# Altium PCB F405adc.PcbDoc (part 2 of 2)
Units mm, origin at the board's own origin, x right, y up, seen from the top; angles counter-clockwise.
Board outline 162 x 21 mm, 2 copper layers (Top Layer, Bottom Layer); 140 components, 96 nets, 399 pads, 109 vias.
Unrouted connection lines stored in the file: 1.
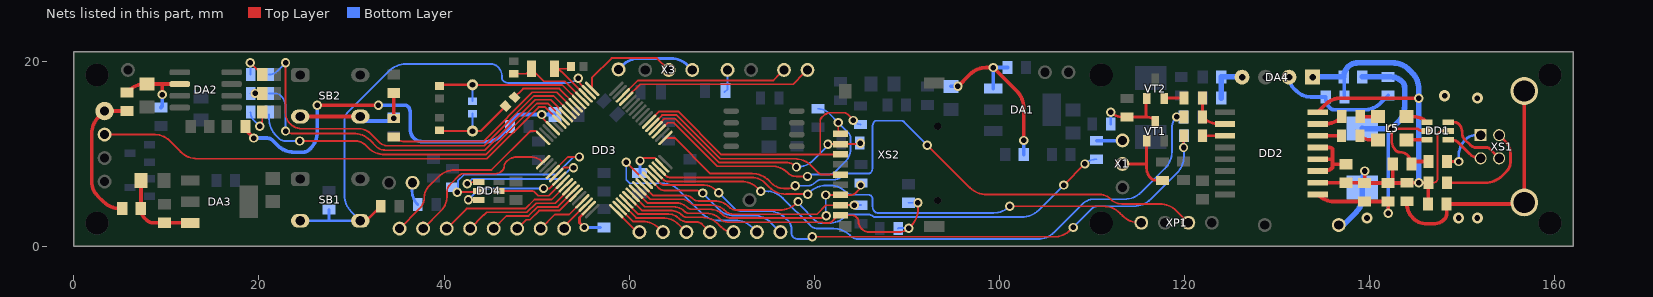
[diagram p2: the nets of this part, all layers, seen from the top]

## Via types
v1: diameter 1, hole 0.6, Top Layer to Bottom Layer, 98 vias
v2: diameter 1.2, hole 0.6, Top Layer to Bottom Layer, 11 vias

## Nets (pads, with @x,y where several pads share a name; then routed paths per layer and width w, separated by ;. In a path a pad name is that pad's centre, name@x,y a point inside that pad or via, vN(x,y) a via of type N, cw(c..) or ccw(c..) an arc to the next point about the centre after c; other vN are vias at no path point) (continued)
GND_BUS: C1.1 C2.1 C7.2 C8.2 C9.1 C36.2 C38.2 C40.2 C41.1 DA4.1 DD1.2 DD2.2 DD2.8 L2.2 R1.1 | length 69.6
  Top Layer w0.2: L2.2@146.354,6.858 146.904,6.858 ccw(c146.904,7.292) 147.211,6.985 ccw(c146.904,7.292) 147.338,7.292 147.338,12.012 cw(c147.772,12.012) 147.465,12.319 cw(c147.781,12.003) 147.781,12.45 DD1.2@148.5,12.45
  Top Layer w0.4: DD2.2@134.384,6.858 C9.1@137.432,6.858 139.387,6.858 cw(c139.387,6.749) C7.2@139.464,6.826 ; DD2.8@134.384,14.478 135.19,15.284 cw(c136.924,13.549) 136.924,16.002 v1(145.306,16.002) ; v1(139.464,8.128) C7.2@139.464,6.826 ; C2.1@142.512,9.144 C8.2@142.512,6.826 ; C1.1@146.322,4.572 ccw(c146.245,4.649) 146.354,4.649 L2.2@146.354,6.858 v1(145.322,6.858) 144.29,6.858 cw(c144.213,6.935) 144.213,6.826 C8.2@142.512,6.826 ; C7.2@139.464,6.826 C8.2@142.004,6.826 C8.2@142.512,6.826
  Bottom Layer w0.4: C36.2@137.21,18.288 cw(c137.058,18.136) 137.273,18.136 C40.2@137.273,16.129 ; C38.2@139.21,6.325 139.21,7.515 cw(c140.077,7.515) v1(139.464,8.128)
  Bottom Layer w0.6: DA4.1@133.836,18.268 cw(c133.884,18.22) 133.884,18.288 C36.2@137.21,18.288 cw(c138.734,18.288) 138.734,19.812 142.476,19.812 cw(c142.476,17.272) 144.272,19.068 144.578,18.762 cw(c142.782,16.966) 145.322,16.966 145.322,15.963 v1(145.322,6.858) ; C41.1@137.178,2.286 138.466,3.574 ccw(c136.67,5.37) 139.21,5.37 C38.2@139.21,6.325
  other v2: 139.718,3.048 149.624,3.048 151.656,3.048 151.656,16.002 148.1,16.256
IN_COUNT: 4.1 DD3.11 | length 53
  Top Layer w0.2: 4.1@3.32,12.065 8.772,12.065 cw(c8.772,9.897) 10.305,11.43 11.539,10.196 ccw(c13.335,11.992) 13.335,9.452 44.626,9.452 50.206,15.032 50.929,15.032 52.432,13.53 52.432,13.464 DD3.11@52.464,13.464
LED0: DD3.8 R28.1 | length 42.9
  Top Layer w0.2: v1(22.878,19.812) 22.878,14.434 ccw(c24.612,14.434) 23.386,13.208 ccw(c24.612,14.434) 24.612,12.7 30.796,12.7 cw(c30.796,10.966) 32.022,12.192 32.933,11.281 ccw(c33.976,12.325) 33.976,10.849 44.326,10.849 49.709,16.232 51.851,16.232 53.493,14.59 53.493,14.525 DD3.8@53.525,14.525
  Bottom Layer w0.2: R28.1@21.1,18.542 ccw(c21.1,19.768) 21.967,18.901 v1(22.878,19.812)
LED1: DD3.9 R29.1 | length 39.2
  Top Layer w0.2: v1(22.878,12.446) ccw(c23.491,13.059) 23.491,12.192 30.208,12.192 cw(c30.208,9.652) 32.004,11.448 32.7,10.752 ccw(c33.584,11.637) 33.584,10.386 33.594,10.376 44.418,10.376 49.874,15.832 51.511,15.832 DD3.9@53.172,14.172
  Bottom Layer w0.2: R29.1@21.1,16.51 21.757,16.51 cw(c21.757,15.643) 22.37,16.256 cw(c21.144,15.03) 22.878,15.03 v1(22.878,12.446)
LED2: DD3.10 R30.1 | length 37.3
  Top Layer w0.2: v1(24.402,11.372) 30.428,11.372 cw(c30.428,9.836) 31.514,10.922 31.786,10.65 ccw(c33.582,12.446) 33.582,9.906 44.514,9.906 50.04,15.432 51.204,15.432 DD3.10@52.818,13.818
  Bottom Layer w0.2: R30.1@21.1,14.224 21.1,13.752 ccw(c23.64,13.752) 21.844,11.956 22.116,11.684 ccw(c22.869,12.437) 22.869,11.372 v1(24.402,11.372) 24.402,11.176 v1@24.364,11.138
NetC1_2: C1.2 R1.2 XS1.5 XS1.6 | length 27.9
  Top Layer w0.4: R1.2@144.036,4.858 144.036,4.581 ccw(c146.204,4.581) 144.671,3.048 ccw(c146.204,4.581) 146.204,2.413 146.874,2.413 ccw(c146.874,4.147) 148.1,2.921 ccw(c147.564,3.457) 148.322,3.457 C1.2@148.322,4.572 156.329,4.572 ccw(c156.329,5.111) XS1.6@156.71,4.73 XS1.5@156.71,16.77
NetC3_1: C3.1 C5.1 DA2.2 L3.2 | length 8.6
  Top Layer w0.4: L3.2@5.733,16.605 5.91,16.782 cw(c7.706,14.986) 7.706,17.526 C5.1@7.892,17.526 9.543,17.526 ; v1(9.543,16.383) 9.543,17.526 ; DA2.2@11.442,17.526 9.543,17.526
  Bottom Layer w0.4: C3.1@9.416,14.986 ccw(c9.109,15.293) 9.543,15.293 v1(9.543,16.383)
NetC4_1: C4.1 C6.1 DA1.3 L4.2 | length 19.8
  Top Layer w0.4: v1(95.522,17.272) 96.81,18.56 cw(c98.606,16.764) 98.606,19.304 v1(99.332,19.304) 101.89,16.746 cw(c100.094,14.95) 102.634,14.95 v1(102.634,11.43)
  Bottom Layer w0.4: C6.1@94.76,17.272 v1(95.522,17.272) ; DA1.3@99.332,17.046 v1(99.332,19.304) L4.2@100.888,19.304 ; C4.1@102.634,9.906 v1(102.634,11.43)
NetC9_2: C9.2 DD2.3 DD2.4 DD2.5 | length 8.5
  Top Layer w0.4: DD2.3@134.384,8.128 135.102,8.128 ccw(c135.102,9.398) 136,8.5 136,8.89 ; DD2.4@134.384,9.398 135.754,9.398 ccw(c135.754,9.746) 136,9.5 ; DD2.5@134.384,10.668 135.594,10.668 cw(c135.594,10.094) 136,10.5 136,9.5 ; C9.2@137.432,8.858 136.077,8.858 cw(c136.077,8.967) 136,8.89 ; 136,8.89 136,9.5
NetC12_2: C12.2 R9.1 R10.2 SB2.3 SB2.4 | length 12.7
  Top Layer w0.4: SB2.3@24.454,14.006 SB2.4@30.954,14.006 ; v1(34.562,13.811) C12.2@34.562,16.542
  Bottom Layer w0.4: SB2.4@30.961,13.531 30.954,13.523 R9.1@34.404,13.523
NetC21_2: C21.2 R14.2 R17.2 ZQ2.1 | length 10
  Top Layer w0.254: C21.2@39.515,12.533 ccw(c39.725,12.743) 39.725,12.446 ZQ2.1@43.071,12.446 43.96,12.446 R17.2@46.531,15.017
  Bottom Layer w0.254: ZQ2.1@43.071,12.446 R14.2@43.071,14.311
NetC24_1: C24.1 C26.1 DD3.13 L7.2 | length 45.3
  Top Layer w0.2: v1(50.564,14.224) 50.564,13.951 DD3.13@51.757,12.757
  Top Layer w0.4: L7.2@18.528,12.954 ccw(c19.371,12.954) 18.775,12.358 v1(19.449,11.684) ; v1(26.307,15.24) v1(32.911,15.24)
  Bottom Layer w0.4: v1(19.449,11.684) 20.868,11.684 cw(c20.868,10.817) 21.481,11.43 22.007,10.904 ccw(c23.803,12.7) 23.803,10.16 24.805,10.16 ccw(c24.805,11.027) 25.418,10.414 25.563,10.559 ccw(c23.767,12.355) 26.307,12.355 v1(26.307,15.24) ; v1(32.911,15.24) 35.779,15.24 cw(c35.779,14.806) 36.086,15.113 cw(c35.473,14.5) 36.34,14.5 36.34,12.604 ccw(c37.641,12.604) 36.721,11.684 ccw(c37.641,12.604) 37.641,11.303 44.595,11.303 ccw(c44.595,13.449) 46.113,11.932 C26.1@47.135,12.954 cw(c48.361,12.954) 47.494,13.821 47.643,13.97 cw(c48.256,13.357) 48.256,14.224 v1(50.564,14.224) C24.1@51.961,14.224
NetC27_1: C27.1 C28.1 DA3.3 L6.2 | length 9.3
  Top Layer w0.4: C28.1@7.257,7.112 7.257,4.141 cw(c7.148,4.141) L6.2@7.225,4.064 ccw(c8.681,4.064) 7.651,3.035 7.892,2.794 ccw(c8.505,3.407) 8.505,2.54 C27.1@9.797,2.54 12.523,2.54 cw(c12.523,2.444) DA3.3@12.591,2.512
NetC40_1: C40.1 DA4.2 L8.2 | length 13.3
  Bottom Layer w0.4: DA4.2@131.296,18.268 ccw(c132.991,18.268) 131.792,17.07 132.098,16.764 ccw(c133.631,18.297) 133.631,16.129 C40.1@135.273,16.129 135.273,15.906 ccw(c136.574,15.906) 135.654,14.986 ccw(c136.267,15.599) 136.267,14.732 139.396,14.732 ccw(c139.396,17.272) 141.192,15.476 L8.2@142.004,16.288
NetC43_1: C43.1 DA4.4 L9.1 | length 4.5
  Bottom Layer w0.6: C43.1@123.97,16.002 L9.1@123.97,18.288 126.168,18.288 cw(c126.168,18.22) DA4.4@126.216,18.268
NetDD1_1: DD1.1 XS1.2 | length 4.2
  Top Layer w0.3: DD1.1@148.5,11.5 148.842,11.5 cw(c148.842,10.394) 149.624,11.176 150.805,9.995 ccw(c152,11.19) XS1.2@152,9.5
NetDD1_3: DD1.3 XS1.3 | length 7.5
  Top Layer w0.3: DD1.3@148.5,13.4 149.16,13.4 cw(c149.16,12.744) 149.624,13.208 cw(c148.704,12.288) 150.005,12.288 150.005,12.192 ccw(c150.925,12.192) 150.274,11.542 150.894,10.922 ccw(c151.507,11.535) 151.507,10.668 152.672,10.668 cw(c152.672,10.282) 152.945,10.555 XS1.3@154,9.5
NetDD1_4: DD1.4 L5.2 | length 2.4
  Top Layer w0.4: L5.2@144,14 144.751,14 cw(c144.751,11.951) DD1.4@146.2,13.4
NetDD1_6: DD1.6 L5.1 | length 2.2
  Top Layer w0.4: L5.1@144,11.5 DD1.6@146.2,11.5
NetDD2_6: DD2.6 R4.2 | length 2.6
  Top Layer w0.4: DD2.6@134.384,11.938 R4.2@136.956,11.938
NetDD2_7: DD2.7 R6.2 | length 2.8
  Top Layer w0.4: DD2.7@134.384,13.208 135.156,13.208 ccw(c135.156,15.748) 136.952,13.952 R6.2@137,14
NetDD2_10: DD2.10 R11.1 R13.1 | length 4.7
  Top Layer w0.3: R11.1@121.938,16.002 R13.1@121.938,13.97 121.956,13.952 ccw(c123.752,15.748) 123.752,13.208 DD2.10@124.384,13.208
NetDD2_11: DD2.11 R12.1 | length 2.4
  Top Layer w0.3: R12.1@121.938,11.938 DD2.11@124.384,11.938
NetE1_1: pad.1 X3.1 | length 8.8
  Bottom Layer w0.3: pad.1@58.854,19.116 59.289,19.551 cw(c61.085,17.755) 61.085,20.295 64.523,20.295 cw(c64.523,17.755) 66.319,19.551 X3.1@66.82,19.05
NetHL1_2: HL1.2 R28.2 | length 3.1
  Top Layer w0.2: v1(19.068,19.812) 19.08,19.812 HL1.2@20.35,18.542
  Bottom Layer w0.2: v1(19.068,19.812) cw(c18.991,19.735) 19.1,19.735 R28.2@19.1,18.542
NetHL2_2: HL2.2 R29.2 | length 0
  Bottom Layer w0.2: R29.2@19.068,16.51 R29.2@19.1,16.51
  other v1: 19.576,16.51
NetHL3_2: HL3.2 R30.2 | length 3.5
  Top Layer w0.2: v1(20.084,12.954) ccw(c19.442,13.596) 20.35,13.596 HL3.2@20.35,14.478
  Bottom Layer w0.2: R30.2@19.1,14.478 ccw(c20.404,14.478) 19.482,13.556 v1(20.084,12.954)
NetL1_1: L1.1 XS1.1 | length 5.6
  Top Layer w0.3: L1.1@148.354,9.144 v1(149.624,9.144)
  Bottom Layer w0.3: v1(149.624,9.144) 149.624,9.743 cw(c152.164,9.743) 150.368,11.539 150.386,11.557 cw(c151.456,10.488) 151.456,12 XS1.1@152,12
NetL2_1: L2.1 XS1.4 | length 11.3
  Top Layer w0.3: L2.1@148.354,6.858 152.509,6.858 ccw(c152.509,9.398) 154.305,7.602 154.831,8.128 ; XS1.4@154,12 154.678,11.322 cw(c153.389,10.033) 155.212,10.033 155.212,9.048 cw(c153.911,9.048) 154.831,8.128
NetL5_3: L5.3 R6.1 | length 1.9
  Top Layer w0.4: R6.1@139,14 L5.3@140.9,14
NetL5_4: L5.4 R4.1 | length 2.1
  Top Layer w0.4: R4.1@138.956,11.938 ccw(c140.013,12.995) 140.013,11.5 L5.4@140.9,11.5
NetR2_2: R2.2 X1.1 | length 2.8
  Bottom Layer w0.4: R2.2@110.508,11.398 113.225,11.398 ccw(c113.225,11.507) X1.1@113.302,11.43
NetR3_1: R3.1 VT1.1 X1.2 | length 8.1
  Top Layer w0.3: X1.2@113.302,8.89 115.908,8.89 ; VT1.1@115.908,11.396 115.908,8.89 ; R3.1@117.62,7.112 116.963,7.112 cw(c116.963,7.979) 116.35,7.366 cw(c117.417,8.433) 115.908,8.433 115.908,8.89
NetR5_1: R5.1 R7.1 VT1.3 VT2.1 | length 8.4
  Top Layer w0.3: v1(112.032,14.478) ccw(c113.258,15.704) 113.258,13.97 R7.1@113.81,13.97 115.842,13.97 ; VT2.1@115.908,15.968 ccw(c116.067,15.809) 115.842,15.809 115.842,13.97 ; VT1.3@116.858,13.496 116.767,13.587 ccw(c115.842,12.662) 115.842,13.97
  Bottom Layer w0.3: R5.1@112.032,13.208 v1(112.032,14.478)
NetR11_2: R11.2 VT2.2 | length 2.1
  Top Layer w0.3: VT2.2@117.808,15.968 cw(c117.89,15.886) 117.89,16.002 R11.2@119.938,16.002
NetR15_1: R15.1 X2.1 | length 2.2
  Bottom Layer w0.3: X2.1@36.543,6.579 36.543,5.968 ccw(c38.625,5.968) R15.1@37.153,4.496
NetR20_2: R20.2 X4.1 | length 2.7
  Bottom Layer w0.2: R20.2@70.29,16.637 70.63,16.977 70.63,18.796 X4.1@70.376,19.05
NRST: DD3.7 R10.1 | length 22.4
  Top Layer w0.2: R10.1@34.562,11.811 ccw(c35.788,13.037) 35.788,11.303 44.214,11.303 49.543,16.632 52.158,16.632 53.846,14.944 53.846,14.879 DD3.7@53.879,14.879
OSC32IN: C18.2 DD3.3 ZQ1.1 | length 6.3
  Top Layer w0.2: C18.2@53.699,19.177 ZQ1.1@51.941,19.177 cw(c51.941,18.181) 52.645,18.885 55.238,16.293 DD3.3@55.293,16.293
OSC32OUT: C20.2 DD3.4 ZQ1.2 | length 9
  Top Layer w0.2: C20.2@47.516,18.629 48.893,18.629 ZQ1.2@49.441,19.177 50.786,17.832 53.047,17.832 DD3.4@54.939,15.939
OSCIN: C19.2 DD3.5 R14.1 ZQ2.2 | length 17.7
  Top Layer w0.2: ZQ2.2@43.057,17.432 ZQ2.2@43.071,17.432 ; ZQ2.2@43.071,17.446 ZQ2.2@43.071,17.432 ; DD3.5@54.586,15.586 52.74,17.432 ZQ2.2@43.071,17.432
  Top Layer w0.254: C19.2@39.515,17.312 cw(c39.805,17.022) 39.805,17.432 ZQ2.2@43.057,17.432
  Bottom Layer w0.2: R14.1@43.071,15.661 ZQ2.2@43.071,17.446
OSOUT: DD3.6 R17.1 | length 8
  Top Layer w0.2: R17.1@47.485,15.971 48.546,17.032 52.465,17.032 54.2,15.297 54.2,15.232 DD3.6@54.232,15.232
PA2: 5.1 DD3.16 | length 21.1
  Top Layer w0.2: 5.1@35.197,2.25 5.1@35.197,1.905 37.325,4.033 ccw(c36.024,5.334) 37.864,5.334 cw(c39.397,5.334) 38.313,6.418 39.399,7.504 cw(c41.166,5.737) 41.166,8.236 45.107,8.236 49.317,12.446 49.947,12.446 DD3.16@50.697,11.697
PA3: 6.1 DD3.17 | length 18
  Top Layer w0.2: 6.1@37.737,2.58 6.1@37.737,1.905 39.692,3.86 ccw(c38.217,5.334) 40.302,5.334 40.302,5.768 cw(c41.645,5.768) 40.696,6.718 41.627,7.649 cw(c42.079,7.197) 42.079,7.836 45.541,7.836 ccw(c45.541,8.833) 46.246,8.128 46.32,8.202 ccw(c45.887,8.636) 46.5,8.636 cw(c47.113,8.636) 46.68,9.07 46.828,9.218 cw(c47.875,8.172) 47.875,9.652 49.317,9.652 cw(c49.317,7.7) DD3.17@50.697,9.08
PA4: DD3.20 DD4.5 R18.2 | length 21.4
  Top Layer w0.2: v1(41.42,5.842) 43.622,5.842 DD4.5@43.749,5.969 ; DD3.20@51.757,8.02 53.39,9.652 v1(54.628,9.652)
  Bottom Layer w0.2: v1(41.42,5.842) 41.5,5.922 41.5,7.092 42.158,7.75 52.091,7.75 53.993,9.652 v1(54.628,9.652)
PA5: DD3.21 DD4.4 | length 15.8
  Top Layer w0.2: v1(42.5,6.75) 42.669,6.919 DD4.4@43.749,6.919 ; DD3.21@52.134,7.666 DD3.21@52.111,7.666 52.945,8.5 53.956,8.5 v1(53.985,8.471)
  Bottom Layer w0.2: v1(42.5,6.75) 43,7.25 52.5,7.25 53.721,8.471 v1(53.985,8.471)
PA6: DD3.22 DD4.6 | length 12
  Top Layer w0.2: v1(42.629,5.019) DD4.6@43.749,5.019 ; v1(50.75,6.25) 51.402,6.25 DD3.22@52.464,7.313 DD3.22@52.535,7.313
  Bottom Layer w0.2: v1(42.629,5.019) 43.86,6.25 v1(50.75,6.25)
PA7: DD3.23 DD4.2 | length 7.7
  Top Layer w0.2: DD4.2@45.949,5.969 49.495,5.969 cw(c49.495,5.535) 49.802,5.842 50.194,5.45 51.309,5.45 DD3.23@52.818,6.959
PA8: DD3.41 R2.1 | length 54.5
  Top Layer w0.2: DD3.41@61.445,6.606 62.564,5.486 66.048,5.486 cw(c66.048,4.359) 66.845,5.156 ccw(c67.459,5.769) 67.459,4.902 69.224,4.902 cw(c69.224,2.734) 70.757,4.267 ccw(c71.614,5.124) 71.614,3.912 76.284,3.912 ccw(c76.284,6.452) 78.08,4.656 v1(78.25,4.826) v1@78.25,4.461 ; v1(106.952,6.604) v1(109.238,8.89)
  Bottom Layer w0.2: v1@78.376,4.522 80.18,2.718 ccw(c80.732,3.27) 80.732,2.489 81.567,2.489 ccw(c81.567,5.029) 83.363,3.233 83.432,3.302 cw(c83.738,2.995) 83.738,3.429 85.816,3.429 cw(c85.816,2.562) 86.429,3.175 ccw(c86.49,3.236) 86.49,3.15 102.446,3.15 ccw(c102.446,5.69) 104.242,3.894 v1(106.952,6.604) ; v1@78.376,4.523 cw(c78.679,4.826) v1(78.25,4.826) v1@78.402,4.826 ; v1(109.238,8.89) cw(c110.464,7.664) 110.464,9.398 R2.1@110.508,9.398
PA9: 16.1 DD3.42 | length 21
  Top Layer w0.2: v1(59.683,9.068) 59.69,9.068 DD3.42@61.798,6.959
  Bottom Layer w0.2: v1(59.683,9.068) 59.683,7.163 60.038,6.807 63.584,6.807 cw(c63.584,4.267) 65.38,6.063 67.966,3.477 ccw(c69.614,5.124) 69.614,2.794 71.483,2.794 cw(c71.483,0.254) 73.279,2.05 16.1@73.805,1.524
PA10: 15.1 DD3.43 | length 16.3
  Top Layer w0.2: DD3.43@62.152,7.313 63.114,6.35 ccw(c63.912,7.147) 63.912,6.02 67.263,6.02 cw(c67.263,5.066) v1(67.938,5.74)
  Bottom Layer w0.2: v1(67.938,5.74) 69.676,4.002 ccw(c71.367,5.694) 71.367,3.302 73.515,3.302 cw(c73.515,0.762) 75.311,2.558 15.1@76.345,1.524
PA11: C22.2 DD3.44 R12.2 | length 68
  Top Layer w0.2: DD3.44@62.505,7.666 63.409,6.763 ccw(c63.792,7.146) 63.792,6.604 68.072,6.604 cw(c68.072,4.783) 69.36,6.071 69.621,5.809 ccw(c69.665,5.853) v1(69.665,5.791) ; v1(79.774,1.016) 105.9,1.016 ccw(c105.9,3.556) 107.696,1.76 v1(107.968,2.032) ; v1(119.906,10.668) 119.906,11.861 cw(c120.015,11.861) R12.2@119.938,11.938
  Bottom Layer w0.2: v1(69.665,5.791) 71.366,4.09 ccw(c72.103,4.827) 72.103,3.785 75.09,3.785 cw(c75.09,1.245) 76.886,3.041 77.162,2.765 cw(c76.251,1.854) 77.539,1.854 77.539,1.42 ccw(c78.146,1.42) 77.717,0.991 ccw(c78.207,1.481) 78.207,0.787 79.222,0.787 ccw(c79.222,1.568) v1(79.774,1.016) ; v1(107.968,2.032) 110.044,4.108 cw(c110.552,3.6) 110.552,4.318 114.536,4.318 ccw(c114.536,6.858) 116.332,5.062 119.194,7.924 ccw(c117.398,9.72) 119.938,9.72 C22.2@119.938,11.938
PA12: C23.1 DD3.45 R13.2 | length 67.1
  Top Layer w0.2: DD3.45@62.859,8.02 63.716,7.163 ccw(c64.084,7.531) 64.084,7.01 72.093,7.01 cw(c72.093,4.47) 73.889,6.266 v1(74.211,5.944)
  Bottom Layer w0.2: v1(74.211,5.944) 74.81,5.944 cw(c74.81,3.404) 76.606,5.2 79.542,2.264 ccw(c80.409,3.131) 80.409,1.905 82.075,1.905 cw(c82.075,-0.635) 83.871,1.161 83.94,1.092 ccw(c84.737,1.889) 84.737,0.762 104.122,0.762 ccw(c104.122,3.302) 105.918,1.506 108.953,4.541 cw(c110.254,3.24) 110.254,5.08 113.52,5.08 ccw(c113.52,7.62) 115.316,5.824 117.892,8.4 ccw(c116.096,10.196) 118.636,10.196 118.636,12.744 cw(c120.37,12.744) v1(119.144,13.97) C23.1@119.906,13.97
PA13: DD3.46 XP1.4 | length 56.2
  Top Layer w0.2: DD3.46@63.213,8.373 64.017,7.569 ccw(c64.323,7.876) 64.323,7.442 73.227,7.442 cw(c73.227,5.417) 74.66,6.849 75.151,6.357 ccw(c76.947,8.153) 76.947,5.613 76.96,5.626 79.299,5.626 v1(79.302,5.624) ; v1(101.11,4.318) 111.234,4.318 cw(c111.234,1.778) 113.03,3.574 113.32,3.284 ccw(c115.116,5.08) 115.116,2.54 XP1.4@115.334,2.54
  Bottom Layer w0.2: v1@79.657,5.624 v1(79.302,5.624) 79.513,5.835 cw(c81.309,4.039) 81.309,6.579 81.725,6.579 cw(c81.725,4.237) 83.381,5.893 ccw(c84.178,6.69) 84.178,5.563 85.843,5.563 cw(c85.843,5.129) 86.149,5.436 cw(c85.781,5.068) 86.302,5.068 86.302,4.286 ccw(c87.082,4.286) 86.53,3.734 ccw(c86.837,4.04) 86.837,3.607 99.393,3.607 ccw(c99.393,6.035) v1(101.11,4.318)
PA14: DD3.49 XP1.2 | length 68.5
  Top Layer w0.2: DD3.49@63.92,11.697 64.902,11.697 68.75,7.849 73.286,7.849 cw(c73.286,5.309) 75.082,7.105 75.38,6.807 ccw(c76.729,8.156) 76.729,6.248 77.271,6.248 ccw(c77.271,7.202) v1(77.945,6.528) ; v1(92.22,10.922) 96.81,6.332 ccw(c98.606,8.128) 98.606,5.588 110.806,5.588 cw(c110.806,3.854) 112.032,5.08 ccw(c113.258,6.306) 113.258,4.572 117.33,4.572 cw(c117.33,2.032) 119.126,3.828 XP1.2@120.414,2.54
  Bottom Layer w0.2: v1(77.945,6.528) 79.21,6.528 ccw(c79.21,7.829) 80.13,6.909 cw(c80.804,6.234) 80.804,7.188 82.116,7.188 ccw(c82.116,8.402) 82.974,7.544 cw(c83.71,6.808) 83.71,7.849 85.853,7.849 ccw(c85.853,8.195) 86.099,7.95 ccw(c85.669,8.379) 86.276,8.379 86.276,12.828 cw(c87.317,12.828) 86.581,13.564 89.435,13.564 cw(c89.435,13.217) 89.68,13.462 v1(92.22,10.922)
PB0: 9.1 DD3.26 | length 10.3
  Top Layer w0.2: 9.1@45.357,1.905 46.716,3.264 49.117,3.264 50.103,4.25 52.301,4.25 53.808,5.757 53.808,5.898 DD3.26@53.879,5.898
PB1: 10.1 DD3.27 | length 7.8
  Top Layer w0.2: 10.1@47.897,1.905 48.856,2.864 49.283,2.864 50.269,3.85 52.467,3.85 54.162,5.545 DD3.27@54.232,5.545
PB8: 14.1 DD3.61 | length 20.8
  Top Layer w0.2: DD3.61@59.677,15.939 59.748,15.939 59.748,16.081 61.174,17.507 77.723,17.507 78.885,18.669 14.1@78.885,19.05
PB9: 13.1 DD3.62 | length 18.4
  Top Layer w0.2: DD3.62@59.323,16.293 60.938,17.907 75.583,17.907 76.345,18.669 13.1@76.345,19.05
PB10: 11.1 DD3.29 | length 5.7
  Top Layer w0.2: 11.1@50.437,1.905 51.961,3.429 53.531,3.429 DD3.29@54.939,4.838
PB11: 12.1 DD3.30 | length 3.5
  Top Layer w0.2: 12.1@52.977,1.905 52.977,2.168 DD3.30@55.293,4.484 DD3.30@55.302,4.484
PB12: 21.1 DD3.33 | length 3.4
  Top Layer w0.2: DD3.33@58.616,3.777 60.869,1.524 21.1@61.105,1.524
PB13: 20.1 DD3.34 | length 5.6
  Top Layer w0.2: DD3.34@58.97,4.131 60.433,2.667 61.486,2.667 cw(c61.486,0.215) 63.22,1.949 20.1@63.645,1.524
PB14: 19.1 DD3.35 | length 8
  Top Layer w0.2: DD3.35@59.323,4.484 60.74,3.067 63.59,3.067 cw(c63.59,0.527) 65.386,2.323 19.1@66.185,1.524
PB15: 18.1 DD3.36 | length 10.3
  Top Layer w0.2: DD3.36@59.677,4.838 59.748,4.838 59.748,4.696 60.977,3.467 64.273,3.467 cw(c64.273,1.949) 65.347,3.023 ccw(c66.328,4.004) 66.328,2.616 67.303,2.616 cw(c67.303,1.819) 67.866,2.383 18.1@68.725,1.524
PC4: 7.1 DD3.24 | length 15.4
  Top Layer w0.2: 7.1@40.711,2.085 cw(c40.277,2.518) 7.1@40.277,1.905 42.436,4.064 48.786,4.064 49.772,5.05 51.616,5.05 DD3.24@53.172,6.606 DD3.24@53.172,6.535
PC5: 8.1 DD3.25 | length 12.7
  Top Layer w0.2: 8.1@42.817,1.905 44.251,3.339 cw(c44.468,3.122) 44.362,3.41 44.616,3.664 48.952,3.664 49.938,4.65 51.994,4.65 53.454,6.111 53.454,6.252 DD3.25@53.525,6.252
  Bottom Layer w0.2: 8.1@42.817,1.905 8.1@42.817,2.032
PC6: 17.1 DD3.37 | length 12.5
  Top Layer w0.2: DD3.37@60.031,5.191 61.355,3.867 64.414,3.867 cw(c64.414,1.937) 65.779,3.302 ccw(c66.208,3.731) 66.208,3.124 67.851,3.124 cw(c67.851,0.584) 69.647,2.38 69.964,2.063 ccw(c71.265,3.364) 17.1@71.265,1.524
PC7: C42.1 DD3.38 R26.2 XS2.9 | length 37.5
  Top Layer w0.2: DD3.38@60.384,5.545 61.662,4.267 64.791,4.267 cw(c64.791,2.62) 65.956,3.785 ccw(c66.508,4.337) 66.508,3.556 68.381,3.556 cw(c68.381,1.561) 69.792,2.972 ccw(c70.712,3.892) 70.712,2.591 80.878,2.591 80.967,2.502 81.629,2.502 81.718,2.591 81.818,2.591 82.568,3.341 XS2.9@82.847,3.341 84.123,3.341 cw(c84.123,2.774) 84.524,3.175 84.616,3.083 cw(c84.226,2.692) 84.778,2.692 ccw(c85.943,2.692) 85.119,1.869 ccw(c85.951,2.7) 85.951,1.524 89.171,1.524 ccw(c89.171,2.998) v1(90.213,1.956) 90.46,2.202 ccw(c88.664,3.999) 91.204,3.999 v1(91.204,4.699)
  Bottom Layer w0.2: R26.2@89.064,1.93 cw(c89.125,1.869) 89.125,1.956 v1(90.213,1.956) ; C42.1@90.188,4.699 v1(91.204,4.699)
PC8: DD3.39 R24.2 XS2.7 | length 28.2
  Top Layer w0.2: DD3.39@60.738,5.898 61.962,4.674 65.086,4.674 cw(c65.086,2.939) 66.312,4.166 ccw(c66.741,4.595) 66.741,3.988 68.758,3.988 cw(c68.758,2.167) 70.046,3.454 ccw(c71.027,4.436) 71.027,3.048 80.79,3.048 81.044,3.302 v1(81.298,3.302) ; v1(81.247,5.537) 81.251,5.541 XS2.7@82.847,5.541 83.884,5.541 ccw(c83.884,6.481) 84.549,5.817 84.773,6.04 ccw(c84.209,6.604) v1(85.006,6.604)
  Bottom Layer w0.2: v1(81.247,5.537) 81.247,3.353 v1(81.298,3.302)
PC9: DD3.40 R25.2 XS2.8 | length 25.3
  Top Layer w0.2: DD3.40@61.091,6.252 62.263,5.08 65.61,5.08 cw(c65.61,3.692) 66.591,4.674 ccw(c67.143,5.226) 67.143,4.445 68.832,4.445 cw(c68.832,2.19) 70.427,3.785 ccw(c71.224,4.582) 71.224,3.454 80.296,3.454 81.261,4.42 82.782,4.42 ccw(c82.782,4.506) 82.844,4.445 XS2.8@82.847,4.441 84.317,4.441 v1(84.321,4.445)
  Bottom Layer w0.2: v1(84.321,4.445) 85.051,4.445 R25.2@85.057,4.438
PC10: DD3.51 R21.2 XS2.1 | length 32.3
  Top Layer w0.2: DD3.51@63.213,12.404 63.222,12.404 64.153,13.335 64.835,13.335 69.521,8.649 75.385,8.649 cw(c75.385,6.177) 77.132,7.925 ccw(c78.052,8.845) 78.052,7.544 v1(79.266,7.544) ; v1(82.593,13.36) 82.593,12.482 82.873,12.203 cw(c82.786,12.203) XS2.1@82.847,12.141
  Bottom Layer w0.2: v1(79.266,7.544) cw(c79.757,7.053) 79.757,7.747 81.456,7.747 ccw(c81.456,8.961) 82.314,8.103 83.375,9.164 ccw(c82.075,10.465) 83.914,10.465 83.914,11.724 ccw(c83.152,11.724) 83.691,12.263 v1(82.593,13.36) 81.591,14.363 ccw(c80.409,13.181) R21.2@80.416,14.852 ; R21.2@80.416,14.852 ccw(c80.409,13.181) R21.2@80.409,14.852 R21.2@80.416,14.852
PC11: DD3.52 R23.2 XS2.2 | length 25.1
  Top Layer w0.2: DD3.52@62.859,12.757 62.93,12.757 62.93,12.899 63.798,13.767 64.968,13.767 69.686,9.049 76.892,9.049 cw(c76.892,7.379) v1(78.072,8.56) ; v1@81.936,11.041 XS2.2@82.847,11.041 84.874,11.041 ccw(c84.874,11.328) 85.077,11.125 v1@85.161,11.041
  Bottom Layer w0.2: v1(78.072,8.56) 78.112,8.56 ccw(c78.112,11.1) 79.908,9.304 v1@81.33,10.726
  other v1: 81.476,11.024 84.981,11.125
PC12: DD3.53 XS2.5 | length 23.3
  Top Layer w0.2: DD3.53@62.505,13.111 63.561,14.167 65.134,14.167 69.852,9.449 77.884,9.449 cw(c77.884,6.909) 79.68,8.705 80.485,7.899 ccw(c80.867,8.281) 80.867,7.741 XS2.5@82.847,7.741
PD2: DD3.54 R27.2 XS2.3 | length 32
  Top Layer w0.2: DD3.54@62.152,13.464 63.254,14.567 65.3,14.567 69.961,9.906 80.638,9.906 ; XS2.3@82.847,9.941 cw(c82.762,10.026) 82.762,9.906 80.638,9.906 ; v1(84.219,13.589) 84.219,13.691 cw(c84.219,13.752) 84.176,13.709 83.736,14.148 ccw(c83.062,13.473) 83.062,14.427 81.63,14.427 ccw(c81.63,13.994) 81.323,14.3 ccw(c81.323,13.994) 81.107,14.21 80.765,13.868 ccw(c81.071,13.562) 80.638,13.562 80.638,9.906
  Bottom Layer w0.2: v1(84.219,13.589) 84.406,13.402 ccw(c84.981,13.977) R27.2@84.981,13.164
RTC: C11.2 DD3.2 R8.1 SB1.3 SB1.4 | length 53.2
  Top Layer w0.2: v1(54.501,18.161) 54.501,18.034 ccw(c55.086,18.034) 54.672,17.621 DD3.2@55.646,16.646
  Top Layer w0.3: SB1.4@30.954,2.754 ccw(c30.954,4.315) 32.058,3.211 R8.1@33.165,4.318
  Bottom Layer w0.2: SB1.4@30.954,2.754 29.972,3.736 cw(c31.768,5.532) 29.228,5.532 29.228,13.558 cw(c30.529,13.558) 29.609,14.478 34.072,18.941 cw(c35.868,17.145) 35.868,19.685 45.125,19.685 cw(c45.125,18.818) 45.738,19.431 45.887,19.282 cw(c45.02,18.415) 46.246,18.415 46.246,18.214 ccw(c46.68,18.214) 46.373,17.907 46.426,17.854 ccw(c46.912,18.341) 46.912,17.653 53.275,17.653 ccw(c53.275,19.387) v1(54.501,18.161)
  Bottom Layer w0.3: SB1.3@24.454,2.754 27.577,2.754 ; C11.2@27.577,3.969 27.577,2.754 ; SB1.4@30.954,2.754 27.577,2.754
VBAT: DD3.1 X3.2 | length 11
  Top Layer w0.2: DD3.1@56,16.929 DD3.1@56,17 56,18.238 58.093,20.331 62.999,20.331 X3.2@64.28,19.05
VBUS_5V: C2.2 C7.1 C8.1 C36.1 C38.1 DD1.5 DD2.1 L1.2 L8.1 | length 42.3
  Top Layer w0.3: C2.2@144.512,8.89 ccw(c143.208,8.89) 144.13,9.812 ccw(c143.29,8.971) 143.29,10.16 cw(c143.29,10.811) 142.829,10.351 cw(c143.902,11.423) 142.385,11.423 v1(142.385,12.7) 145.179,12.7 ccw(c145.783,13.304) 145.783,12.45 DD1.5@146.2,12.45
  Top Layer w0.4: DD2.1@134.384,5.588 134.402,5.57 ccw(c136.198,7.366) 136.198,4.826 C7.1@139.464,4.826 C8.1@142.004,4.826 v1(142.004,3.556) ; C2.2@144.512,8.89 cw(c145.125,8.277) 145.125,9.144 L1.2@146.354,9.144
  Bottom Layer w0.4: v1(142.004,3.556) 142.004,11.78 cw(c143.305,11.78) v1(142.385,12.7)
  Bottom Layer w0.6: C38.1@139.21,12.725 ccw(c139.27,12.785) 139.27,12.7 v1(142.385,12.7) 143.038,13.353 ccw(c141.242,15.149) 143.782,15.149 143.782,17.167 ccw(c142.915,17.167) 143.528,17.78 ccw(c142.302,16.554) 142.302,18.288 L8.1@142.004,18.288 C36.1@139.21,18.288
VCAP1: C29.1 DD3.31 | length 4.5
  Top Layer w0.3: v1(55.136,2.032) 54.628,2.54 54.628,3.112 DD3.31@55.646,4.131
  Bottom Layer w0.3: v1(55.136,2.032) C29.1@56.914,2.032
VCAP2: C37.1 DD3.47 | length 4.2
  Top Layer w0.2: v1(61.181,9.22) 61.511,9.55 62.743,9.55 DD3.47@63.566,8.727
  Bottom Layer w0.3: C37.1@61.13,7.899 61.181,7.95 v1(61.181,9.22)
VIN: 1.1 L3.1 L6.1 | length 15.3
  Top Layer w0.4: L6.1@5.225,4.064 4.988,4.064 cw(c4.988,6.604) 3.192,4.808 2.591,5.409 cw(c4.202,7.021) 1.923,7.021 1.923,12.156 cw(c4.463,12.156) 2.667,13.952 1.1@3.32,14.605 L3.1@5.733,14.605
pads on no net: DA2.1 DA2.3 DA2.5 DA2.7 DA2.8 XS2.11 XS2.12 XS2.13 XS2.14 XS2.15

## Polygon pours and split planes (outlines as drawn)
GND_BUS on Bottom Layer "Bottom Layer-No Net" (hatched 90Degree grid 0.5 track 0.3, remove dead copper, pour order 9): 132.86,18.034 132.86,5.878 ccw(c135.4,5.878) 133.604,4.082 135.4,2.286 cw(c136.013,1.673) 136.013,2.54 152.418,2.54 153.652,2.54 ccw(c153.652,5.08) 155.448,3.284 156.99,4.826 cw(c157.603,5.439) 156.736,5.439 156.736,18.034
GND on Bottom Layer "Bottom Layer-No Net" (hatched 90Degree grid 0.5 track 0.3, remove dead copper, pour order 7): 5.098,17.526 5.098,4.608 ccw(c7.638,4.608) 5.842,2.812 7.13,1.524 8.418,2.812 cw(c10.214,1.016) 10.214,3.556 128.796,3.556 128.796,15.712 ccw(c126.256,15.712) 128.052,17.508 127.526,18.034 127.508,18.052 ccw(c125.712,16.256) 125.712,18.796 61.74,18.796 cw(c60.514,18.796) 61.381,17.929 53.866,10.414 53.848,10.396 cw(c52.052,12.192) 52.052,9.652 34.308,9.652 34.308,12.41 ccw(c31.768,12.41) 33.564,14.206 29.228,18.542 29.21,18.56 ccw(c27.414,16.764) 27.414,19.304 7.13,19.304
GND on Bottom Layer "Bottom Layer-No Net" (solid, remove dead copper, pour order 2): 46.881,20.701 46.881,18.161 53.358,18.161 53.993,18.796 cw(c54.3,18.489) 54.3,18.923 55.009,18.923 55.39,18.542 56.279,18.542 56.279,20.701
GND on Bottom Layer "Bottom Layer-No Net" (solid, remove dead copper, pour order 6): 37.229,19.05 37.229,12.065 44.595,12.065 ccw(c44.595,12.372) 44.812,12.155 45.357,12.7 45.357,13.208 cw(c45.97,13.208) 45.537,13.642 46.754,14.859 cw(c48.287,13.326) 48.287,15.494 55.263,15.494 55.263,17.145 46.5,17.145 cw(c46.949,18.229) 45.865,17.78 ccw(c43.835,17.559) 45.23,19.05 43.325,19.05
GND_BUS on Top Layer "Bottom Layer-No Net" (hatched 90Degree grid 0.5 track 0.3, remove dead copper, pour order 13): 132.86,17.018 132.86,5.588 ccw(c134.7,5.588) 133.399,4.287 135.4,2.286 ccw(c136.013,2.899) 136.013,2.032 153.434,2.032 153.652,2.032 ccw(c153.652,4.572) 155.448,2.776 156.99,4.318 156.99,18.288 133.884,18.288 ccw(c133.884,18.22) 133.836,18.268
GND on Top Layer "Bottom Layer-No Net" (hatched 90Degree grid 0.5 track 0.3, remove dead copper, pour order 5): 4.844,17.272 4.844,3.661 cw(c3.977,3.661) 4.59,3.048 5.37,2.268 ccw(c7.166,4.064) 7.166,1.524 14.496,1.524 126.856,1.524 ccw(c126.856,4.064) 128.652,2.268 128.67,2.286 ccw(c128.462,2.494) 128.756,2.494 128.756,18.268 60.232,18.268 ccw(c60.232,15.728) 58.436,17.524 52.088,11.176 51.308,10.396 cw(c49.512,12.192) 49.512,9.652 39.896,9.652 38.662,9.652 cw(c38.662,12.192) 36.866,10.396 33.038,14.224 28.702,18.56 ccw(c26.906,16.764) 26.906,19.304 7.13,19.304
GND on Top Layer "Bottom Layer-No Net" (solid, remove dead copper, pour order 11): 37.229,19.05 37.229,12.065 44.722,12.065 45.267,12.61 ccw(c45.05,12.827) 45.357,12.827 cw(c46.89,12.827) 45.806,13.911 45.992,14.097 ccw(c45.685,14.404) 46.119,14.404 46.119,17.145 46.119,17.236 ccw(c43.579,17.236) 45.375,19.032 45.357,19.05

## Keep-outs
Keep-Out Layer:
  the board outline again, w0.2

## Silkscreen, mask and mechanical layers (free items; w line width, h text height)
Bottom Overlay:
  lines w0.2: 58.854,14.874 58.501,15.934 62.036,19.47 63.097,19.116 ; 63.451,11.692 66.279,14.52 ; 63.451,14.52 66.279,11.692

## Text inside footprints (layer, text, board x,y; h text height)
XS2: Top Overlay "INSULATION AREA" at 88.347,5.541 h1 r90